# Altium PCB PPG_sensor.PcbDoc (part 2 of 2)
Units mm, origin at the board's own origin, x right, y up, seen from the top; angles counter-clockwise.
Board outline 127.8 x 94.12 mm, 2 copper layers (Top Layer, Bottom Layer), stack 0.671 mm thick; 105 components, 109 nets, 309 pads, 529 vias.
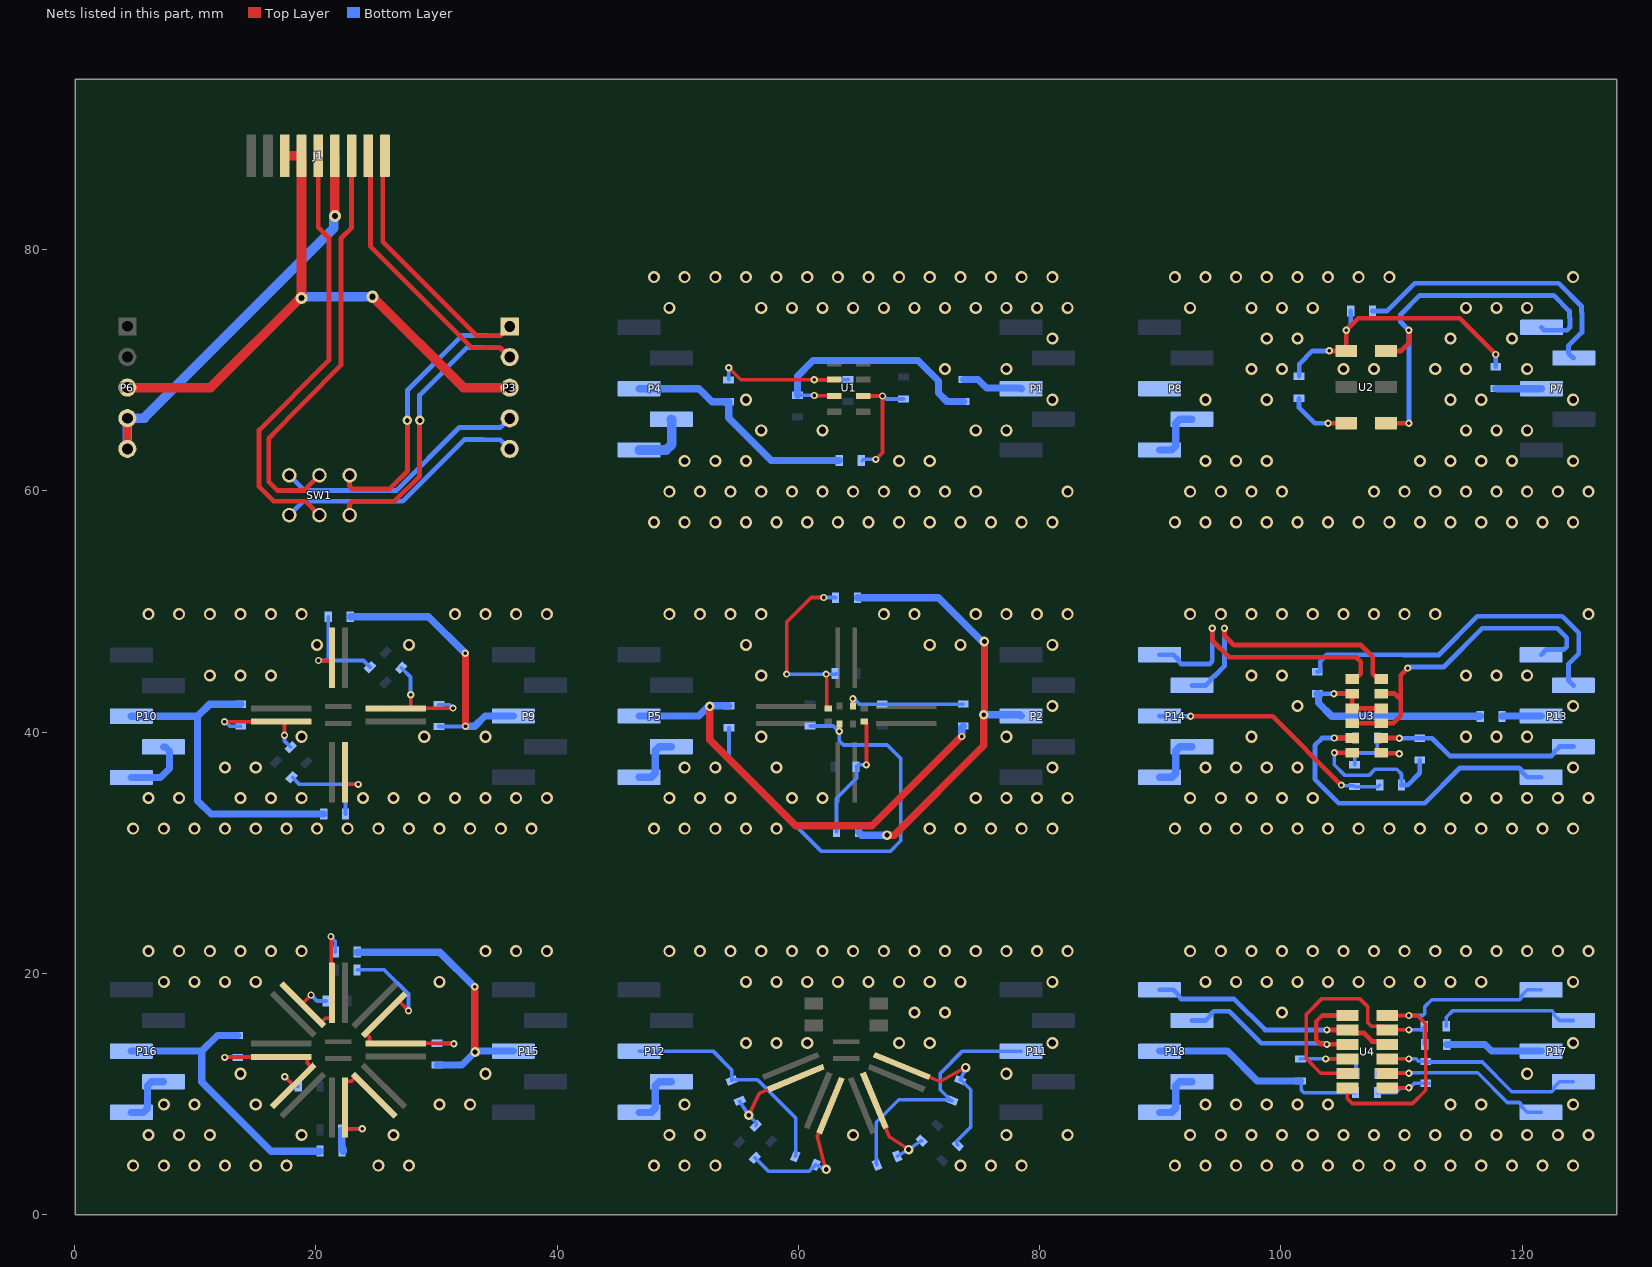
[diagram p2: the nets of this part, all layers, seen from the top]

## Via types
v1: diameter 1, hole 0.6, Top Layer to Bottom Layer, tented both sides, 414 vias
v2: diameter 0.6, hole 0.3, Top Layer to Bottom Layer, tented top, 59 vias
v3: diameter 0.6, hole 0.3, Top Layer to Bottom Layer, 26 vias
v4: diameter 0.8, hole 0.4, Top Layer to Bottom Layer, tented top, 19 vias
v5: diameter 3.5, hole 3.1, Top Layer to Bottom Layer, 3 vias
v6: diameter 2, hole 1.6, Top Layer to Bottom Layer, 3 vias
v7: diameter 1, hole 0.5, Top Layer to Bottom Layer, 3 vias
v8: diameter 0.8, hole 0.4, Top Layer to Bottom Layer, 2 vias

## Nets (pads, with @x,y where several pads share a name; then routed paths per layer and width w, separated by ;. In a path a pad name is that pad's centre, name@x,y a point inside that pad or via, vN(x,y) a via of type N, cw(c..) or ccw(c..) an arc to the next point about the centre after c; other vN are vias at no path point) (continued)
F_TX_LED_1_N: H_R8.1 P7.2 | length 24
  Bottom Layer w0.4: H_R8.1@107.609,74.9 108.798,74.9 111.098,77.2 123.034,77.2 124.927,75.307 124.927,74.763 124.965,74.726 124.965,73.129 123.841,72.006 123.841,71.419 P7.2@124.255,71.005
F_TX_LED_1_P: P7.1 U2.1 U2.3 | length 33.6
  Top Layer w0.4: U2.3@108.72,65.6 v2(110.62,65.6) ; U2.1@108.72,71.6 109.986,71.6 110.62,72.234 v2(110.62,73.3)
  Bottom Layer w0.4: v2(110.62,65.6) v2(110.62,73.3) 109.92,74 109.92,74.608 111.512,76.2 122.62,76.2 123.927,74.893 123.927,74.349 123.965,74.311 123.965,73.543 123.731,73.309 121.821,73.309 P7.1@121.585,73.545
G_PD_DET_N: P14.1 U3.6 | length 23.5
  Top Layer w0.4: v3(94.32,48.6) 94.32,47.586 95.706,46.2 106.234,46.2 106.62,45.814 106.62,44.834 106.386,44.6 106.12,44.6 U3.6@105.92,44.4
  Bottom Layer w0.4: P14.1@89.95,46.405 91.095,46.405 91.53,45.97 91.53,45.869 91.764,45.635 94.086,45.635 94.32,45.869 v3(94.32,48.6)
G_PD_DET_P: P14.2 U3.7 | length 22.5
  Top Layer w0.4: v3(95.32,48.6) 95.32,48 96.12,47.2 106.648,47.2 107.62,46.228 107.62,44.834 107.854,44.6 108.12,44.6 U3.7@108.32,44.4
  Bottom Layer w0.4: P14.2@92.62,43.865 93.765,43.865 94.2,44.3 94.2,44.401 94.434,44.635 94.5,44.635 95.32,45.455 v3(95.32,48.6)
G_TX_LED_0_N: H_R15.2 P13.5 U3.2 | length 29.1
  Top Layer w0.4: v2(104.42,39.5) U3.2@105.92,39.5
  Bottom Layer w0.4: H_R15.2@106.193,39.5 v2(104.42,39.5) 103.42,39.5 102.82,38.9 102.82,36.1 104.82,34.1 111.92,34.1 114.835,37.015 119.771,37.015 120.005,36.781 120.005,36.68 120.44,36.245 P13.5@121.585,36.245
G_TX_LED_0_P: H_R14.1 P13.4 U3.11 | length 16.9
  Top Layer w0.4: U3.11@108.32,39.5 108.325,39.495 109.825,39.495 v2(109.831,39.489)
  Bottom Layer w0.4: v2(109.831,39.489) H_R14.1@111.52,39.489 112.531,39.489 114.005,38.015 122.441,38.015 122.675,38.249 122.675,38.35 123.11,38.785 P13.4@124.255,38.785
G_TX_LED_1_N: H_R13.1 P13.2 | length 29.5
  Bottom Layer w0.4: H_R13.1@103.02,44.989 103.17,44.989 103.27,45.089 103.27,45.85 103.82,46.4 110.12,46.4 110.141,46.379 113.07,46.379 116.291,49.6 123.334,49.6 124.7,48.234 124.7,46.489 123.841,45.631 123.841,44.279 P13.2@124.255,43.865
G_TX_LED_1_P: P13.1 U3.3 U3.8 U3.10 | length 28.3
  Top Layer w0.4: U3.3@105.92,40.728 U3.10@108.32,40.728 109.336,40.728 109.94,41.332 109.94,42.68 ; U3.8@108.32,43.18 109.44,43.18 109.94,42.68 ; v2(110.52,45.3) 109.94,44.72 109.94,42.68
  Bottom Layer w0.4: v2(110.52,45.3) 110.558,45.338 110.7,45.338 110.74,45.379 113.484,45.379 116.706,48.6 122.92,48.6 123.7,47.82 123.7,47.074 123.466,46.84 122.02,46.84 P13.1@121.585,46.405
GND: J1.7 P6.4 P6.5 | length 34.8
  Top Layer w0.6: P6.5@4.37,63.475 P6.4@4.37,66.015
  Top Layer w0.8: J1.7@21.575,87.773 21.575,82.805 v7(21.595,82.785)
  Bottom Layer w0.8: P6.5@4.37,63.475 P6.4@4.37,66.015 5.795,66.015 5.795,66.085 21.495,81.785 21.495,82.685 v7(21.595,82.785)
GND_A: P10.4 P10.5 | length 5.6
  Bottom Layer w0.6: P10.5@4.7,36.225 7.115,36.225 7.87,36.98 7.87,38.43 7.535,38.765 P10.4@7.37,38.765
  other v1: 4.855,31.988 7.395,31.988 9.935,31.988 12.475,31.988 15.015,31.988 17.555,31.988 20.095,31.988 22.635,31.988 25.175,31.988 27.715,31.988 30.255,31.988 32.795,31.988 35.335,31.988 37.875,31.988 6.125,34.528 8.665,34.528 13.745,34.528 16.285,34.528 18.825,34.528 23.905,34.528 26.445,34.528 28.985,34.528 31.525,34.528 34.065,34.528 36.605,34.528 39.145,34.528 12.475,37.068 15.015,37.068 18.825,39.608 28.985,39.608 34.065,39.608 11.205,44.688 13.745,44.688 16.285,44.688 20.095,47.228 27.715,47.228 6.125,49.768 8.665,49.768 11.205,49.768 13.745,49.768 16.285,49.768 18.825,49.768 31.525,49.768 34.065,49.768 36.605,49.768 39.145,49.768
GND_B: P16.4 P16.5 | length 4.8
  Bottom Layer w0.6: P16.5@4.7,8.465 5.7,8.465 6.035,8.8 6.035,10.67 6.37,11.005 P16.4@7.37,11.005
  other v1: 4.855,4.048 7.395,4.048 9.935,4.048 12.475,4.048 15.015,4.048 17.555,4.048 25.175,4.048 27.715,4.048 6.125,6.588 8.665,6.588 11.205,6.588 18.825,6.588 26.445,6.588 7.395,9.128 9.935,9.128 15.015,9.128 30.255,9.128 32.795,9.128 13.745,11.668 34.065,11.668 7.395,19.288 9.935,19.288 12.475,19.288 15.015,19.288 30.255,19.288 6.125,21.828 8.665,21.828 11.205,21.828 13.745,21.828 16.285,21.828 18.825,21.828 34.065,21.828 36.605,21.828 39.145,21.828
GND_C: P5.4 P5.5 | length 4.8
  Bottom Layer w0.6: P5.5@46.8,36.245 47.8,36.245 48.135,36.58 48.135,38.45 48.47,38.785 P5.4@49.47,38.785
  other v1: 48.035,31.988 50.575,31.988 53.115,31.988 55.655,31.988 58.195,31.988 70.895,31.988 73.435,31.988 75.975,31.988 78.515,31.988 81.055,31.988 49.305,34.528 51.845,34.528 54.385,34.528 59.465,34.528 62.005,34.528 74.705,34.528 77.245,34.528 79.785,34.528 82.325,34.528 50.575,37.068 53.115,37.068 58.195,37.068 81.055,37.068 56.925,39.608 77.245,39.608 81.055,42.148 56.925,44.688 55.655,47.228 70.895,47.228 73.435,47.228 81.055,47.228 49.305,49.768 51.845,49.768 54.385,49.768 56.925,49.768 67.085,49.768 69.625,49.768 74.705,49.768 77.245,49.768 79.785,49.768 82.325,49.768
GND_D: P12.4 P12.5 | length 4.8
  Bottom Layer w0.6: P12.5@46.8,8.465 47.8,8.465 48.135,8.8 48.135,10.67 48.47,11.005 P12.4@49.47,11.005
  other v1: 48.035,4.048 50.575,4.048 53.115,4.048 73.435,4.048 75.975,4.048 78.515,4.048 49.305,6.588 51.845,6.588 64.545,6.588 77.245,6.588 82.325,6.588 50.575,9.128 77.245,11.668 55.655,14.208 58.195,14.208 60.735,14.208 68.355,14.208 70.895,14.208 81.055,14.208 69.625,16.748 72.165,16.748 55.655,19.288 58.195,19.288 60.735,19.288 63.275,19.288 65.815,19.288 68.355,19.288 70.895,19.288 73.435,19.288 81.055,19.288 49.305,21.828 51.845,21.828 54.385,21.828 56.925,21.828 59.465,21.828 62.005,21.828 64.545,21.828 67.085,21.828 69.625,21.828 72.165,21.828 74.705,21.828 77.245,21.828 79.785,21.828 82.325,21.828
GND_E: P4.4 P4.5 | length 5
  Bottom Layer w0.8: P4.5@46.8,63.385 49.036,63.385 49.505,63.854 49.505,65.89 P4.4@49.47,65.925
  other v1: 48.035,57.388 50.575,57.388 53.115,57.388 55.655,57.388 58.195,57.388 60.735,57.388 63.275,57.388 65.815,57.388 68.355,57.388 70.895,57.388 73.435,57.388 75.975,57.388 78.515,57.388 81.055,57.388 49.305,59.928 51.845,59.928 54.385,59.928 56.925,59.928 59.465,59.928 62.005,59.928 64.545,59.928 67.085,59.928 69.625,59.928 72.165,59.928 74.705,59.928 82.325,59.928 50.575,62.468 53.115,62.468 55.655,62.468 68.355,62.468 70.895,62.468 56.925,65.008 62.005,65.008 74.705,65.008 77.245,65.008 55.655,67.548 81.055,67.548 72.165,70.088 77.245,70.088 81.055,72.628 49.305,75.168 56.925,75.168 59.465,75.168 62.005,75.168 64.545,75.168 67.085,75.168 69.625,75.168 72.165,75.168 74.705,75.168 77.245,75.168 79.785,75.168 82.325,75.168 48.035,77.708 50.575,77.708 53.115,77.708 55.655,77.708 58.195,77.708 60.735,77.708 63.275,77.708 65.815,77.708 68.355,77.708 70.895,77.708 73.435,77.708 75.975,77.708 78.515,77.708 81.055,77.708
GND_F: P8.4 P8.5 | length 4.8
  Bottom Layer w0.6: P8.5@89.95,63.385 90.95,63.385 91.285,63.72 91.285,65.59 91.62,65.925 P8.4@92.62,65.925
  other v1: 91.215,57.388 93.755,57.388 96.295,57.388 98.835,57.388 101.375,57.388 103.915,57.388 106.455,57.388 108.995,57.388 111.535,57.388 114.075,57.388 116.615,57.388 119.155,57.388 121.695,57.388 124.235,57.388 92.485,59.928 95.025,59.928 97.565,59.928 100.105,59.928 107.725,59.928 110.265,59.928 112.805,59.928 115.345,59.928 117.885,59.928 120.425,59.928 122.965,59.928 125.505,59.928 93.755,62.468 96.295,62.468 98.835,62.468 111.535,62.468 114.075,62.468 116.615,62.468 119.155,62.468 124.235,62.468 115.345,65.008 117.885,65.008 120.425,65.008 93.755,67.548 98.835,67.548 114.075,67.548 116.615,67.548 124.235,67.548 97.565,70.088 100.105,70.088 105.185,70.088 107.725,70.088 112.805,70.088 115.345,70.088 120.425,70.088 98.835,72.628 101.375,72.628 114.075,72.628 119.155,72.628 92.485,75.168 97.565,75.168 100.105,75.168 102.645,75.168 115.345,75.168 117.885,75.168 120.425,75.168 91.215,77.708 93.755,77.708 96.295,77.708 98.835,77.708 101.375,77.708 103.915,77.708 106.455,77.708 108.995,77.708 124.235,77.708
GND_G: P14.4 P14.5 | length 4.8
  Bottom Layer w0.6: P14.5@89.95,36.245 90.95,36.245 91.285,36.58 91.285,38.45 91.62,38.785 P14.4@92.62,38.785
  other v1: 91.215,31.988 93.755,31.988 96.295,31.988 98.835,31.988 101.375,31.988 103.915,31.988 106.455,31.988 108.995,31.988 111.535,31.988 114.075,31.988 116.615,31.988 119.155,31.988 121.695,31.988 124.235,31.988 92.485,34.528 95.025,34.528 97.565,34.528 100.105,34.528 102.645,34.528 115.345,34.528 117.885,34.528 120.425,34.528 122.965,34.528 125.505,34.528 93.755,37.068 96.295,37.068 98.835,37.068 101.375,37.068 124.235,37.068 97.565,39.608 115.345,39.608 117.885,39.608 120.425,39.608 101.375,42.148 124.235,42.148 97.565,44.688 100.105,44.688 115.345,44.688 117.885,44.688 120.425,44.688 92.485,49.768 95.025,49.768 97.565,49.768 100.105,49.768 102.645,49.768 105.185,49.768 107.725,49.768 110.265,49.768 112.805,49.768 125.505,49.768
GND_H: P18.4 P18.5 | length 4.8
  Bottom Layer w0.6: P18.5@89.95,8.465 90.95,8.465 91.285,8.8 91.285,10.67 91.62,11.005 P18.4@92.62,11.005
  other v1: 91.215,4.048 93.755,4.048 96.295,4.048 98.835,4.048 101.375,4.048 103.915,4.048 106.455,4.048 108.995,4.048 111.535,4.048 114.075,4.048 116.615,4.048 119.155,4.048 121.695,4.048 124.235,4.048 92.485,6.588 95.025,6.588 97.565,6.588 100.105,6.588 102.645,6.588 105.185,6.588 107.725,6.588 110.265,6.588 112.805,6.588 115.345,6.588 117.885,6.588 120.425,6.588 122.965,6.588 125.505,6.588 93.755,9.128 96.295,9.128 98.835,9.128 101.375,9.128 103.915,9.128 114.075,9.128 116.615,9.128 124.235,9.128 120.425,11.668 124.235,14.208 100.105,16.748 93.755,19.288 96.295,19.288 98.835,19.288 101.375,19.288 103.915,19.288 106.455,19.288 108.995,19.288 111.535,19.288 114.075,19.288 116.615,19.288 124.235,19.288 92.485,21.828 95.025,21.828 97.565,21.828 100.105,21.828 102.645,21.828 105.185,21.828 107.725,21.828 110.265,21.828 112.805,21.828 115.345,21.828 117.885,21.828 120.425,21.828 122.965,21.828 125.505,21.828
GREEN_E: H_R2.2 P_R3.1 U1.2 | length 21
  Top Layer w0.3: v2(61.32,67.9) 61.34,67.88 62.95,67.88 U1.2@62.97,67.86
  Bottom Layer w0.3: H_R2.2@59.92,67.927 59.934,67.913 61.307,67.913 v2(61.32,67.9)
  Bottom Layer w0.6: H_R2.2@59.92,67.927 59.92,69.5 61.22,70.8 69.92,70.8 71.62,69.1 71.62,68.1 72.309,67.411 P_R3.1@73.72,67.411
GREEN_F: C_R1.1 H_R8.2 P_R8.1 U2.6 | length 23.9
  Top Layer w0.4: v2(104.02,71.6) U2.6@105.42,71.6 v2(105.42,73.3) 106.42,74.3 114.82,74.3 v3(117.82,71.3)
  Bottom Layer w0.4: C_R1.1@101.52,69.489 101.52,70.5 102.62,71.6 v2(104.02,71.6) ; v2(105.42,73.3) 105.42,73.354 105.793,73.727 H_R8.2@105.793,74.9 ; P_R8.1@117.82,70.289 v3(117.82,71.3)
GREEN_G: H_R13.2 P_R14.1 U3.4 U3.5 U3.9 | length 21.3
  Top Layer w0.4: v2(104.4,43.18) U3.5@105.92,43.18 U3.4@105.92,41.952 U3.9@108.32,41.952
  Bottom Layer w0.4: H_R13.2@103.02,43.173 103.023,43.177 104.397,43.177 v2(104.4,43.18)
  Bottom Layer w0.6: H_R13.2@103.02,43.173 103.12,43.173 103.12,42.4 104.22,41.3 P_R14.1@116.531,41.3
GREEN_H: H_R22.2 P_R24.1 U4.5 U4.11 | length 21.3
  Top Layer w0.3: U4.5@105.52,11.7 103.32,11.7 102.12,12.9 102.12,16.6 103.42,17.9 106.52,17.9 107.22,17.2 107.22,15.9 107.52,15.6 108.52,15.6 U4.11@108.82,15.3 v2(110.62,15.3)
  Bottom Layer w0.3: v2@110.72,15.3 111.593,15.3 H_R22.2@111.893,15.6 111.912,15.581 111.912,14.119 P_R24.1@111.931,14.1
H_PD_DET_N: P18.1 U4.2 U4.10 | length 20.8
  Top Layer w0.4: v2(103.82,15.3) U4.2@105.52,15.3 105.77,15.05 106.87,15.05 107.57,14.35 108.57,14.35 U4.10@108.82,14.1
  Bottom Layer w0.4: P18.1@89.95,18.625 91.095,18.625 91.53,18.19 91.53,18.089 91.764,17.855 96.139,17.855 98.694,15.3 v2(103.82,15.3)
H_PD_DET_P: P18.2 U4.1 U4.3 | length 19.8
  Top Layer w0.381: U4.3@105.52,14.1 103.32,14.1 102.92,14.5 102.92,16 103.42,16.5 U4.1@105.52,16.5
  Bottom Layer w0.4: P18.2@92.62,16.085 93.765,16.085 94.2,16.52 94.2,16.621 94.434,16.855 95.725,16.855 98.38,14.2 103.579,14.2 103.64,14.138 103.782,14.138 v2(103.82,14.1)
H_TX_LED_0_N: H_R24.2 P17.5 U4.8 | length 16.3
  Top Layer w0.3: U4.8@108.82,11.7 v2@110.52,11.7
  Bottom Layer w0.3: H_R24.2@108.047,11.7 v2@110.52,11.7 ; v2@110.893,11.7 110.937,11.744 116.317,11.744 118.777,9.285 119.779,9.285 119.955,9.109 119.955,8.95 120.44,8.465 P17.5@121.585,8.465
  other v2: 110.62,11.7
H_TX_LED_0_P: H_R23.1 P17.4 U4.9 | length 17
  Top Layer w0.3: U4.9@108.82,12.9 v2(110.62,12.9)
  Bottom Layer w0.3: v2(110.62,12.9) 111.22,12.9 111.431,12.689 H_R23.1@112.02,12.689 112.065,12.644 116.69,12.644 119.15,10.185 122.449,10.185 122.625,10.361 122.625,10.52 123.11,11.005 P17.4@124.255,11.005
H_TX_LED_1_N: H_R22.1 P17.2 | length 12
  Bottom Layer w0.3: H_R22.1@113.709,15.6 113.709,16.344 114.27,16.905 122.449,16.905 122.625,16.729 122.625,16.57 123.11,16.085 P17.2@124.255,16.085
H_TX_LED_1_P: P17.1 U4.6 U4.12 | length 29.3
  Top Layer w0.3: U4.6@105.52,10.5 105.52,9.6 105.92,9.2 110.92,9.2 112.02,10.3 112.02,15.8 111.32,16.5 v2(110.62,16.5) U4.12@108.82,16.5
  Bottom Layer w0.3: v2(110.62,16.5) 111.769,16.5 111.945,16.676 111.945,17.236 112.514,17.805 119.779,17.805 119.955,17.981 119.955,18.14 120.44,18.625 P17.1@121.585,18.625
IR_E: H_R3.1 P_R1.1 U1.7 | length 10.1
  Top Layer w0.3: U1.7@65.37,67.86 v2(66.98,67.86) 66.98,63.16 v2(66.42,62.6)
  Bottom Layer w0.3: P_R1.1@65.309,62.5 65.409,62.6 v2(66.42,62.6) ; v2(66.98,67.86) 67.061,67.86 67.31,67.611 H_R3.1@68.72,67.611
IR_G: H_R15.1 P_R12.1 U3.12 | length 7.3
  Top Layer w0.4: U3.12@108.32,38.28 108.362,38.238 109.782,38.238 v2(109.82,38.2)
  Bottom Layer w0.3: P_R12.1@106.12,37.289 106.12,38 106.377,38.257 108.009,38.257 ; H_R15.1@108.009,39.5 108.009,38.257 ; v2(109.82,38.2) 109.763,38.257 108.009,38.257
IR_H: H_R24.1 P_R22.1 U4.4 | length 7.4
  Top Layer w0.3: v2(103.72,12.9) U4.4@105.52,12.9
  Bottom Layer w0.3: P_R22.1@101.62,12.889 101.631,12.9 v2(103.72,12.9) 105.82,12.9 106.231,12.489 H_R24.1@106.231,11.7
NetC_R1_2: C_R1.2 U2.4 | length 5.2
  Top Layer w0.4: v2(103.92,65.6) U2.4@105.42,65.6
  Bottom Layer w0.4: C_R1.2@101.52,67.673 101.52,66.9 102.82,65.6 v2(103.92,65.6)
NetG_LED1_1: G_LED1.1 H_R6.2 P_R7.1 | length 16.4
  Top Layer w0.3: v2(59.025,44.8) 59.025,49.1 61.075,51.15 v2(62.1,51.15) ; v2(62.3,44.8) 62.357,44.743 62.357,42.056 62.457,41.956 G_LED1.1@62.47,41.956 G_LED1.1@62.425,42.001
  Bottom Layer w0.3: v2(59.025,44.8) v2(62.3,44.8) 63.123,44.8 H_R6.2@63.173,44.85 ; v2(62.1,51.15) 63.061,51.15 P_R7.1@63.086,51.125
NetG_LED2_1: G_LED2.1 H_R11.2 P_R13.1 | length 10.2
  Top Layer w0.3: v2(20.22,45.93) G_LED2.1@21.245,45.93 ; G_LED2.1@21.22,47.155 21.32,47.055 G_LED2.1@21.32,46.155
  Bottom Layer w0.3: v2(20.22,45.93) 21.045,45.93 ; P_R13.1@21.031,49.555 21.031,45.944 21.045,45.93 ; H_R11.2@24.49,45.385 23.945,45.93 21.045,45.93
NetG_LED3_1: G_LED3.1 H_R18.2 P_R19.1 | length 13.3
  Top Layer w0.3: G_LED3.1@68.569,12.315 71.745,11.025 v4(73.87,12.175)
  Bottom Layer w0.3: H_R18.2@73.225,5.755 73.119,5.861 73.119,6.073 74.295,7.249 74.295,10.343 73.516,11.121 P_R19.1@73.435,11.121 v4(73.87,12.175)
NetG_LED4_1: G_LED4.1 G_LED5.1 H_R26.2 P_R26.1 | length 12.9
  Top Layer w0.3: G_LED5.1@18.984,17.38 G_LED5.1@18.905,17.38 20.316,15.969 20.457,15.969 20.768,16.28 G_LED4.1@21.22,16.28 ; 19.026,17.626 v3(19.6,18.2) ; G_LED4.1@21.28,17.375 v3@21.28,23.125 ; G_LED4.1@21.32,18.375 G_LED4.1@21.32,18.725
  Bottom Layer w0.3: v3(19.6,18.2) 20.1,17.7 H_R26.2@20.848,17.7 ; v3(21.248,23.048) 21.248,23.013 21.611,22.65 P_R26.1@21.611,21.75
NetH_R4_2: H_R4.2 P_R5.1 R_LED1.1 | length 36.8
  Top Layer w0.3: v2(63.4,40.062) 63.41,40.072 63.41,40.645 R_LED1.1@63.42,40.655
  Bottom Layer w0.3: P_R5.1@54.25,40.361 54.25,37.775 61.925,30.1 67.625,30.1 68.5,30.975 68.5,37.8 67.375,38.925 63.75,38.925 63.4,39.275 v2(63.4,40.062) ; H_R4.2@60.975,40.498 62.883,40.498 v2@63.319,40.062
NetH_R5_1: H_R5.1 IR_LED1.1 P_R4.1 | length 9.8
  Top Layer w0.3: IR_LED1.1@64.521,42.155 64.523,42.157 64.523,42.748 v2(64.525,42.75)
  Bottom Layer w0.3: v2@64.606,42.75 65.042,42.314 H_R5.1@66.95,42.314 P_R4.1@73.675,42.314
NetH_R7_1: H_R7.1 P_R6.1 Y_LED1.1 | length 10.7
  Top Layer w0.3: Y_LED1.1@65.47,40.855 65.65,40.675 65.65,37.3 v2(65.625,37.275)
  Bottom Layer w0.3: P_R6.1@63.159,31.725 63.159,34.509 64.839,36.189 H_R7.1@64.839,37.15 ; H_R7.1@64.789,37.125 64.814,37.15 H_R7.1@64.839,37.15 ; v2(65.625,37.275) 64.964,37.275 H_R7.1@64.839,37.15
NetH_R9_2: H_R9.2 P_R10.1 R_LED2.1 | length 9.3
  Top Layer w0.3: R_LED2.1@22.42,35.58 22.495,35.655 v2(23.52,35.655)
  Bottom Layer w0.3: H_R9.2@18.074,36.226 18.645,35.655 22.445,35.655 ; P_R10.1@22.44,33.185 P_R10.1@22.459,33.205 22.459,35.641 22.445,35.655 ; v2(23.52,35.655) 22.445,35.655
NetH_R10_1: H_R10.1 IR_LED2.1 P_R9.1 | length 7.6
  Top Layer w0.3: v2(12.42,40.855) IR_LED2.1@15.995,40.855 ; IR_LED2.1@17.12,40.855 17.295,40.855 17.395,40.755 v2@17.395,39.755
  Bottom Layer w0.3: v2(12.42,40.855) 12.501,40.855 12.865,40.491 P_R9.1@13.77,40.491 ; v2@17.395,39.755 17.395,39.255 H_R10.1@17.916,38.734
  other v2: 17.395,39.73
NetH_R12_1: H_R12.1 P_R11.1 Y_LED2.1 | length 10.1
  Top Layer w0.3: Y_LED2.1@26.345,42.055 26.445,41.955 Y_LED2.1@26.62,41.955 27.77,41.955 Y_LED2.1@27.795,41.98 ; v2(27.87,43.08) 27.87,42.055 Y_LED2.1@27.795,41.98 ; v2(31.37,41.98) Y_LED2.1@27.795,41.98
  Bottom Layer w0.3: H_R12.1@27.074,45.326 27.845,44.555 27.845,43.105 v2(27.87,43.08) ; P_R11.1@30.195,42.269 31.081,42.269 v2(31.37,41.98)
NetH_R16_2: H_R16.2 P_R17.1 R_LED3.1 | length 12.6
  Top Layer w0.3: v4@62.52,3.65 cw(c62.52,3.952) v4(62.307,3.738) 62.22,3.825 61.574,6.463 R_LED3.1@62.66,9.026
  Bottom Layer w0.3: H_R16.2@56.4,4.695 57.52,3.575 60.889,3.575 61.416,4.102 P_R17.1@61.416,4.135 v4(62.307,3.738)
NetH_R17_1: H_R17.1 IR_LED3.1 P_R15.1 | length 7.9
  Top Layer w0.3: v4(55.888,8.229) 56.745,10.05 IR_LED3.1@59.792,11.299
  Bottom Layer w0.3: P_R15.1@55.115,9.399 v4(55.888,8.229) 56.509,7.608 56.509,7.396 H_R17.1@56.466,7.354
NetH_R19_1: H_R19.1 P_R18.1 Y_LED3.1 | length 7.6
  Top Layer w0.3: Y_LED3.1@66.296,9.447 67.52,6.45 v4(69.145,5.375)
  Bottom Layer w0.3: P_R18.1@68.191,4.815 v4(69.145,5.375) H_R19.1@70.216,6.121
NetH_R20_1: H_R20.1 IR_LED4.1 IR_LED5.1 P_R20.2 | length 14.8
  Top Layer w0.3: v3@12.375,13.055 IR_LED4.1@18.125,13.055 ; IR_LED4.1@17.12,13.08 19.325,13.08 19.425,12.98 19.3,12.98 19.3,12.55 19.59,12.26 19.59,12.118 IR_LED5.1@18.127,10.655 18.127,10.723 v3(17.425,11.425)
  Bottom Layer w0.3: v3(12.452,13.023) P_R20.2@13.525,13.023 ; v3(17.425,11.425) 18.225,10.625 H_R20.1@18.536,10.625
NetH_R21_2: H_R21.2 P_R21.1 R_LED4.1 R_LED5.1 | length 7.5
  Top Layer w0.3: R_LED4.1@22.425,8.875 22.425,7.2 22.525,7.1 v3(23.85,7.1) ; R_LED4.1@22.52,11.05 22.95,11.05 R_LED5.1@23.24,11.34
  Bottom Layer w0.3: H_R21.2@22.152,7 22.252,7.1 v3(23.85,7.1)
  Bottom Layer w0.6: H_R21.2@22.152,7 22.152,5.512 22.264,5.4 P_R21.1@22.264,5.25
NetH_R25_1: H_R25.1 P_R23.2 Y_LED4.1 Y_LED5.1 | length 14.7
  Top Layer w0.3: Y_LED4.1@24.16,14.99 24.45,14.7 Y_LED5.1@24.45,14.27 ; Y_LED5.1@26.634,14.166 Y_LED5.1@26.62,14.18 31.41,14.18 v3(31.44,14.15) ; Y_LED4.1@26.9,17.675 v3(27.675,16.9)
  Bottom Layer w0.3: H_R25.1@23.414,20.275 25.675,20.275 27.675,18.275 v3(27.675,16.9) ; P_R23.2@30.05,14.202 30.076,14.176 31.414,14.176 v3(31.44,14.15)
RED_E: H_R1.2 P_R2.1 U1.3 | length 13
  Top Layer w0.3: v3(54.22,70.2) 55.22,69.2 v2(61.32,69.2) 62.93,69.2 U1.3@62.97,69.24
  Bottom Layer w0.3: P_R2.1@54.22,69.189 v3(54.22,70.2) ; v2(61.32,69.2) 61.333,69.213 64.107,69.213 H_R1.2@64.12,69.227
RED_G: H_R14.2 P_R16.1 U3.1 | length 12.7
  Top Layer w0.4: v2(104.44,38.28) U3.1@105.92,38.28
  Bottom Layer w0.3: v2(104.44,38.28) 104.44,37.28 105.32,36.4 107.303,36.4 107.803,36.9 109.62,36.9 110.009,36.511 P_R16.1@110.009,35.6
  Bottom Layer w0.4: P_R16.1@110.009,35.6 110.52,35.6 111.52,36.6 H_R14.2@111.52,37.673
RED_H: H_R23.2 P_R25.1 U4.7 | length 6.4
  Top Layer w0.3: U4.7@108.82,10.5 v2(110.62,10.5)
  Bottom Layer w0.3: P_R25.1@108.009,10.1 109.52,10.1 109.87,10.45 110.651,10.45 111.074,10.873 H_R23.2@112.02,10.873 H_R23.2@112.32,10.873
TX_LED_0_N: J1.3 SW1.5 | length 36.2
  Top Layer w0.4: J1.3@20.19,87.773 20.19,81.84 21.075,80.955 21.075,70.815 15.295,65.035 15.295,60.335 16.495,59.135 19.145,59.135 SW1.5@20.295,57.985
TX_LED_0_P: J1.2 SW1.2 | length 36
  Top Layer w0.4: 16.895,65.135 16.095,64.335 ; SW1.2@20.295,61.285 19.045,60.035 16.795,60.035 16.095,60.735 16.095,64.335 ; J1.2@22.96,87.773 22.96,81.8 22.075,80.915 22.075,70.401 16.095,64.335
TX_LED_1_N: J1.6 P3.2 SW1.6 | length 46.8
  Top Layer w0.4: SW1.6@22.795,57.985 22.795,58.901 23.029,59.135 26.509,59.135 28.595,61.221 28.595,65.808 v8(28.622,65.835) ; J1.6@24.345,87.773 24.537,87.581 24.537,80.229 32.912,71.855 35.286,71.855 36.056,71.085 P3.2@36.07,71.085
  Bottom Layer w0.4: v8(28.622,65.835) 28.595,65.862 28.595,67.935 32.525,71.865 ; 32.516,71.865 32.525,71.865 ; P3.2@36.07,71.085 36.056,71.085 35.286,71.855 33.798,71.855 33.788,71.865 32.525,71.865
TX_LED_1_P: J1.1 P3.1 SW1.3 | length 45.1
  Top Layer w0.4: SW1.3@22.795,61.285 22.795,60.369 23.029,60.135 26.095,60.135 27.595,61.635 27.595,65.808 v8(27.568,65.835) ; J1.1@25.73,87.773 25.537,87.581 25.537,80.643 33.326,72.855 35.3,72.855 P3.1@36.07,73.625
  Bottom Layer w0.4: v8(27.568,65.835) 27.595,65.862 27.595,68.349 32.111,72.865 34.202,72.865 34.212,72.855 35.3,72.855 P3.1@36.07,73.625
TX_LED_A_0_N: P3.5 SW1.4 | length 21.1
  Bottom Layer w0.4: SW1.4@17.795,57.985 18.945,59.135 ; 18.995,59.135 27.203,59.135 32.312,64.245 33.883,64.245 33.893,64.235 35.286,64.235 36.056,63.465 P3.5@36.07,63.465
TX_LED_A_0_P: P3.4 SW1.1 | length 21.3
  Bottom Layer w0.4: SW1.1@17.795,61.285 19.045,60.035 26.688,60.035 31.898,65.245 34.297,65.245 34.307,65.235 35.286,65.235 36.056,66.005 P3.4@36.07,66.005
VDD_LED: J1.4 J1.8 P3.3 P6.3 | length 50.7
  Top Layer w0.6: J1.4@17.391,87.744 J1.4@17.42,87.773
  Top Layer w0.8: P6.3@4.37,68.555 11.265,68.555 v7@18.745,76.035 ; J1.4@17.42,87.773 J1.8@18.805,87.773 ; v7@18.805,76.095 J1.8@18.805,87.385 ; v7(24.695,76.085) 32.235,68.545 P3.3@36.07,68.545 36.03,68.585 P3.3@36.01,68.565
  Bottom Layer w0.8: P6.3@4.37,68.555 P6.3@4.385,68.57 ; v7(18.795,75.985) 18.895,76.085 v7(24.695,76.085)
VDD_LED_A: P9.3 P_R11.2 P_R13.2 | length 23.2
  Top Layer w0.6: v2(32.375,46.525) 32.4,46.5 v2(32.4,40.475)
  Bottom Layer w0.3: P_R11.2@30.195,40.453 v2@32.275,40.453
  Bottom Layer w0.6: P_R13.2@22.847,49.555 29.345,49.555 v2(32.375,46.525) ; v2(32.4,40.475) 33.165,40.475 34.015,41.325 P9.3@36.37,41.325
VDD_LED_A_0: P10.3 P_R9.2 P_R10.2 | length 27.4
  Bottom Layer w0.6: P10.3@4.7,41.305 10.195,41.305 ; P_R9.2@13.77,42.307 11.197,42.307 10.195,41.305 ; P_R10.2@20.643,33.205 11.295,33.205 10.195,34.305 10.195,41.305
VDD_LED_B: P15.3 P_R23.1 P_R26.2 | length 23.1
  Top Layer w0.6: v2(33.175,18.875) 33.175,13.5 v4(33.2,13.475)
  Bottom Layer w0.6: P_R26.2@23.427,21.75 30.275,21.75 33.15,18.875 v2(33.175,18.875) ; P_R23.1@30.05,12.386 32.111,12.386 v4(33.2,13.475) 33.27,13.545 P15.3@36.37,13.545
VDD_LED_B_0: P16.3 P_R20.1 P_R21.2 | length 24.1
  Bottom Layer w0.6: P16.3@4.7,13.545 10.545,13.545 ; P_R20.1@13.525,14.839 11.839,14.839 10.545,13.545 ; P_R21.2@20.348,5.25 16.275,5.25 10.545,10.98 10.545,13.545
VDD_LED_C: P2.3 P_R6.2 P_R7.2 | length 37.4
  Top Layer w0.6: v4(67.35,31.45) 67.95,31.45 75.375,38.875 v4(75.375,41.425) 75.425,41.475 v4(75.425,47.5)
  Bottom Layer w0.6: P_R7.2@64.902,51.125 71.625,51.125 75.25,47.5 v4(75.425,47.5) ; P_R6.2@64.977,31.725 65.252,31.45 v4(67.35,31.45) ; v4(75.375,41.425) 78.37,41.425 P2.3@78.47,41.325
VDD_LED_C_0: P5.3 P_R4.2 P_R5.2 | length 38.4
  Top Layer w0.6: v4(52.65,42.125) 52.65,39.35 59.775,32.225 66.1,32.225 73.5,39.625 v2(73.55,39.625)
  Bottom Layer w0.6: P5.3@46.8,41.325 51.75,41.325 v4@52.6,42.175 ; v4@52.65,42.177 P_R5.2@54.25,42.177 ; v2(73.55,39.625) 73.55,40.373 P_R4.2@73.675,40.498
VDD_LED_D: P11.3 P_R18.2 P_R19.2 | length 20.6
  Bottom Layer w0.3: P_R18.2@66.514,4.12 66.456,4.178 66.456,7.636 68.321,9.501 P_R19.2@72.602,9.501 ; P_R19.2@72.74,9.444 72.659,9.444 P_R19.2@72.602,9.501 ; P11.3@78.47,13.545 73.615,13.545 71.765,11.695 71.765,10.338 P_R19.2@72.602,9.501
VDD_LED_D_0: P12.3 P_R15.2 P_R17.2 | length 19
  Bottom Layer w0.3: P12.3@46.8,13.545 52.925,13.545 54.464,12.006 54.464,11.107 P_R15.2@54.465,11.106 54.523,11.164 56.606,11.164 59.796,7.974 59.796,4.887 P_R17.2@59.739,4.83
VDD_LED_E: P1.3 P_R3.2 | length 5.1
  Bottom Layer w0.6: P_R3.2@73.72,69.227 74.893,69.227 75.593,68.527 78.408,68.527 P1.3@78.47,68.465
VDD_LED_E_0: P4.3 P_R1.2 P_R2.2 | length 19.9
  Bottom Layer w0.6: P4.3@46.8,68.465 51.755,68.465 52.847,67.373 P_R2.2@54.22,67.373 54.22,66.03 57.75,62.5 P_R1.2@63.393,62.5
VDD_LED_F: P7.3 P_R8.2 | length 3.8
  Bottom Layer w0.6: P_R8.2@117.82,68.473 117.97,68.473 117.978,68.465 P7.3@121.585,68.465
VDD_LED_F_0: P8.3
VDD_LED_G: P13.3 P_R14.2 | length 3.3
  Bottom Layer w0.6: P_R14.2@118.347,41.3 118.347,41.325 P13.3@121.585,41.325
VDD_LED_G_0: P14.3 P_R12.2 P_R16.2 | length 20.7
  Top Layer w0.4: v3(92.52,41.3) 99.32,41.3 v2(105.02,35.6)
  Bottom Layer w0.3: v2(105.02,35.6) 105.077,35.543 106.05,35.543 P_R12.2@106.12,35.473 108.066,35.473 P_R16.2@108.193,35.6
  Bottom Layer w0.4: P14.3@89.95,41.325 89.963,41.313 92.508,41.313 v3(92.52,41.3)
VDD_LED_H: P17.3 P_R24.2 | length 8.1
  Bottom Layer w0.6: P_R24.2@113.747,14.1 116.92,14.1 117.475,13.545 P17.3@121.585,13.545
VDD_LED_H_0: P18.3 P_R22.2 P_R25.2 | length 18.1
  Bottom Layer w0.3: P_R22.2@101.62,11.073 101.694,10.999 101.694,10.326 101.92,10.1 P_R25.2@106.193,10.1
  Bottom Layer w0.6: P18.3@89.95,13.545 95.575,13.545 98.047,11.073 P_R22.2@101.62,11.073
copper on no net:
  other v5: 7.695,87.223 32.685,87.223 32.685,87.223
  other v6: 12.24,87.223 28.14,87.223 28.14,87.223

## Polygon pours and split planes (outlines as drawn)
GND on Bottom Layer "Bottom Layer-GND" (solid, pour order 0): 37.595,90.435 37.595,56.8 2.82,56.8 2.82,90.435
GND_D on Bottom Layer "Bottom Layer-GND_D" (solid, pour order 26): 44.645,1.3 44.645,26 83.42,26 83.42,1.3
GND_A on Bottom Layer "Bottom Layer-GND_A" (solid, pour order 4): 2.545,29.08 2.545,53.78 41.32,53.78 41.32,29.08
GND_B on Bottom Layer "Bottom Layer-GND_B" (solid, pour order 8): 2.545,1.3 2.545,26 41.32,26 41.32,1.3
GND_E on Bottom Layer "Bottom Layer-GND_E" (solid, pour order 34): 44.645,56.22 44.645,80.92 83.42,80.92 83.42,56.22
GND_F on Bottom Layer "Bottom Layer-GND_F" (solid, pour order 32): 87.795,56.22 87.795,80.92 126.57,80.92 126.57,56.22
GND_G on Bottom Layer "Bottom Layer-GND_G" (solid, pour order 30): 87.795,29.08 87.795,53.78 126.57,53.78 126.57,29.08
GND_H on Bottom Layer "Bottom Layer-GND_H" (solid, pour order 28): 87.795,1.3 87.795,26 126.57,26 126.57,1.3
GND_C on Bottom Layer "Bottom Layer-GND_C" (solid, pour order 24): 44.645,29.08 44.645,53.78 83.42,53.78 83.42,29.08
GND on Top Layer "Top Layer-GND" (solid, pour order 2): 37.595,90.435 37.595,56.8 2.82,56.8 2.82,90.435
GND_C on Top Layer "Top Layer-GND_C" (solid, pour order 12): 83.42,53.78 83.42,29.08 44.645,29.08 44.645,53.78
GND_D on Top Layer "Top Layer-GND_D" (solid, pour order 14): 83.42,26 83.42,1.3 44.645,1.3 44.645,26
GND_B on Top Layer "Top Layer-GND_B" (solid, pour order 10): 41.32,26 41.32,1.3 2.545,1.3 2.545,26
GND_A on Top Layer "Top Layer-GND_A" (solid, pour order 6): 41.32,53.78 41.32,29.08 2.545,29.08 2.545,53.78
GND_H on Top Layer "Top Layer-GND_H" (solid, pour order 22): 126.57,26 126.57,1.3 87.795,1.3 87.795,26
GND_G on Top Layer "Top Layer-GND_G" (solid, pour order 20): 126.57,53.78 126.57,29.08 87.795,29.08 87.795,53.78
GND_F on Top Layer "Top Layer-GND_F" (solid, pour order 18): 126.57,80.92 126.57,56.22 87.795,56.22 87.795,80.92
GND_E on Top Layer "Top Layer-GND_E" (solid, pour order 16): 83.42,80.92 83.42,56.22 44.645,56.22 44.645,80.92

## Keep-outs
Keep-Out Layer:
  lines w0.3: 2.545,25.979 41.149,25.979 ; 2.545,53.78 41.631,53.78 41.631,44.494 41.631,29.08 2.235,29.08 2.235,53.78 41.149,53.759 ; 44.645,26 83.718,26 83.718,16.727 83.718,1.3 44.323,1.3 44.323,26 83.249,25.979 ; 87.795,26 126.873,26 126.873,1.3 87.478,1.3 87.478,26 126.399,25.979 ; 87.795,53.78 126.873,53.78 126.873,29.08 87.478,29.08 87.478,53.78 126.399,53.759 ; 0.05,-0.025 0.05,94.1 27.5,94.1 85.5,94.1 127.85,94.1 127.85,-0.025 0.05,-0.025 ; 2.235,1.3 41.631,1.3 41.631,16.714 41.631,26 2.235,26 2.235,1.3 ; 2.5,56.8 37.925,56.8 37.925,90.435 2.5,90.435 2.5,56.8 ; 44.323,29.08 83.718,29.08 83.718,44.805 83.718,45.103 83.718,53.78 44.323,53.78 44.323,29.08 ; 44.323,56.22 83.718,56.22 83.718,71.647 83.718,80.92 44.323,80.92 44.323,56.22 ; 87.478,56.22 87.478,80.92 126.873,80.92 126.873,56.22 87.478,56.22

## Silkscreen, mask and mechanical layers (free items; w line width, h text height)
Top Overlay:
  circle w0.153: c21.87,41.405 r9
  circle w0.152: c63.97,13.625 r2.25
  circle w0.152: c107.085,13.625 r9
  circle w0.152: c107.085,13.625 r7.25
  circle w0.152: c107.085,41.405 r7.25
  circle w0.1: c107.085,41.405 r2.25
  circle w0.152: c107.085,41.405 r9
  circle w0.152: c107.12,68.545 r7.25
  circle w0.152: c107.12,68.545 r9
  circle w0.152: c63.97,68.545 r9
  circle w0.152: c63.97,68.545 r7.25
  circle w0.152: c63.97,13.625 r9
  circle w0.152: c63.97,13.625 r7.25
  circle w0.152: c21.87,13.625 r7.25
  circle w0.153: c21.87,41.405 r7.25
  circle w0.152: c63.97,41.405 r9
  circle w0.152: c63.97,41.405 r2.25
  circle w0.152: c21.875,13.625 r2.25
  circle w0.152: c21.87,13.625 r9
  circle w0.153: c21.87,41.405 r2.25
  lines w0.3: 2.235,1.3 41.631,1.3 41.631,26 2.235,26 2.235,1.3 ; 2.235,29.08 2.235,53.78 41.631,53.78 41.631,29.08 2.235,29.08 ; 2.5,56.8 2.5,90.435 37.925,90.435 37.925,56.8 2.5,56.8 ; 44.323,1.3 44.323,26 83.718,26 83.718,1.3 44.323,1.3 ; 44.323,29.08 83.718,29.08 83.718,53.78 44.323,53.78 44.323,29.08 ; 44.323,56.22 83.718,56.22 83.718,80.92 44.323,80.92 44.323,56.22 ; 87.478,1.3 126.873,1.3 126.873,26 87.478,26 87.478,1.3 ; 87.478,29.08 87.478,53.78 126.873,53.78 126.873,29.08 87.478,29.08 ; 87.478,56.22 126.873,56.22 126.873,80.92 87.478,80.92 87.478,56.22
  text "SFH 7050" at 45.4,78.75 h1.5
  text "SFH 7070" at 88.325,78.725 h1.5
  text "ICS Lab" at 72.075,78.115 h4
  text "ICS Lab" at 115.225,78.115 h4
  text "LED 1 TX P" at 26.075,73.38 h0.85
  text "DET_N" at 6.2,73.205 h0.85
  text "DET_P" at 6.2,70.705 h0.85
  text "LED 1 TX N" at 26.025,70.68 h0.85
  text "VCC LED" at 28.45,68.405 h0.85
  text "VCC LED" at 6.2,68.205 h0.85
  text "LED 0 TX P" at 26.138,65.714 h0.85
  text "GND" at 6.2,65.705 h0.85
  text "GND" at 6.2,63.205 h0.85
  text "LED 0 TX N" at 26.1,63.08 h0.85
  text "LED 1 TX" at 23.15,62.43 h0.85 r90
  text "LED 0 TX" at 18.075,62.23 h0.85 r90
  text "11.26.2021" at 3.475,57.42 h0.85
  text "SFH 7060" at 88.75,51.725 h1.5
  text "NUMBER PD C" at 45.35,51.575 h1.5
  text "DISTANCE LED A" at 3.625,51.4 h1.5
  text "ICS Lab" at 29.975,50.975 h4
  text "ICS Lab" at 72.075,50.975 h4
  text "ICS Lab" at 115.225,50.975 h4
  text "PPG sensor ver 1.0" at 67.9,29.75 h0.85
  text "11.26.2021" at 3.2,29.7 h0.85
  text "11.26.2021" at 45.3,29.7 h0.85
  text "PPG sensor ver 1.0" at 25.925,29.65 h0.85
  text "TYPE PD D" at 45.1,23.8 h1.5
  text "NUMBER LED B" at 3.025,23.725 h1.5
  text "SFH 7072" at 88.4,23.725 h1.5
  text "ICS Lab" at 29.975,23.195 h4
  text "ICS Lab" at 72.075,23.195 h4
  text "ICS Lab" at 115.225,23.195 h4
  text "11.26.2021" at 3.2,1.92 h0.85
  text "11.26.2021" at 45.3,1.92 h0.85
  text "PPG sensor ver 1.0" at 25.65,1.9 h0.85
  text "PPG sensor ver 1.0" at 67.7,1.85 h0.85